# Altium PCB EVB-NORA-B20.PcbDoc (part 6 of 6)
Units mm, origin at the board's own origin, x right, y up, seen from the top; angles counter-clockwise.
Board outline 100 x 70 mm, 6 copper layers (L1, L2, L3, L4, L5, L6), stack 1.547 mm thick; 491 components, 294 nets, 1446 pads, 1246 vias.
Unrouted connection lines stored in the file: 3.
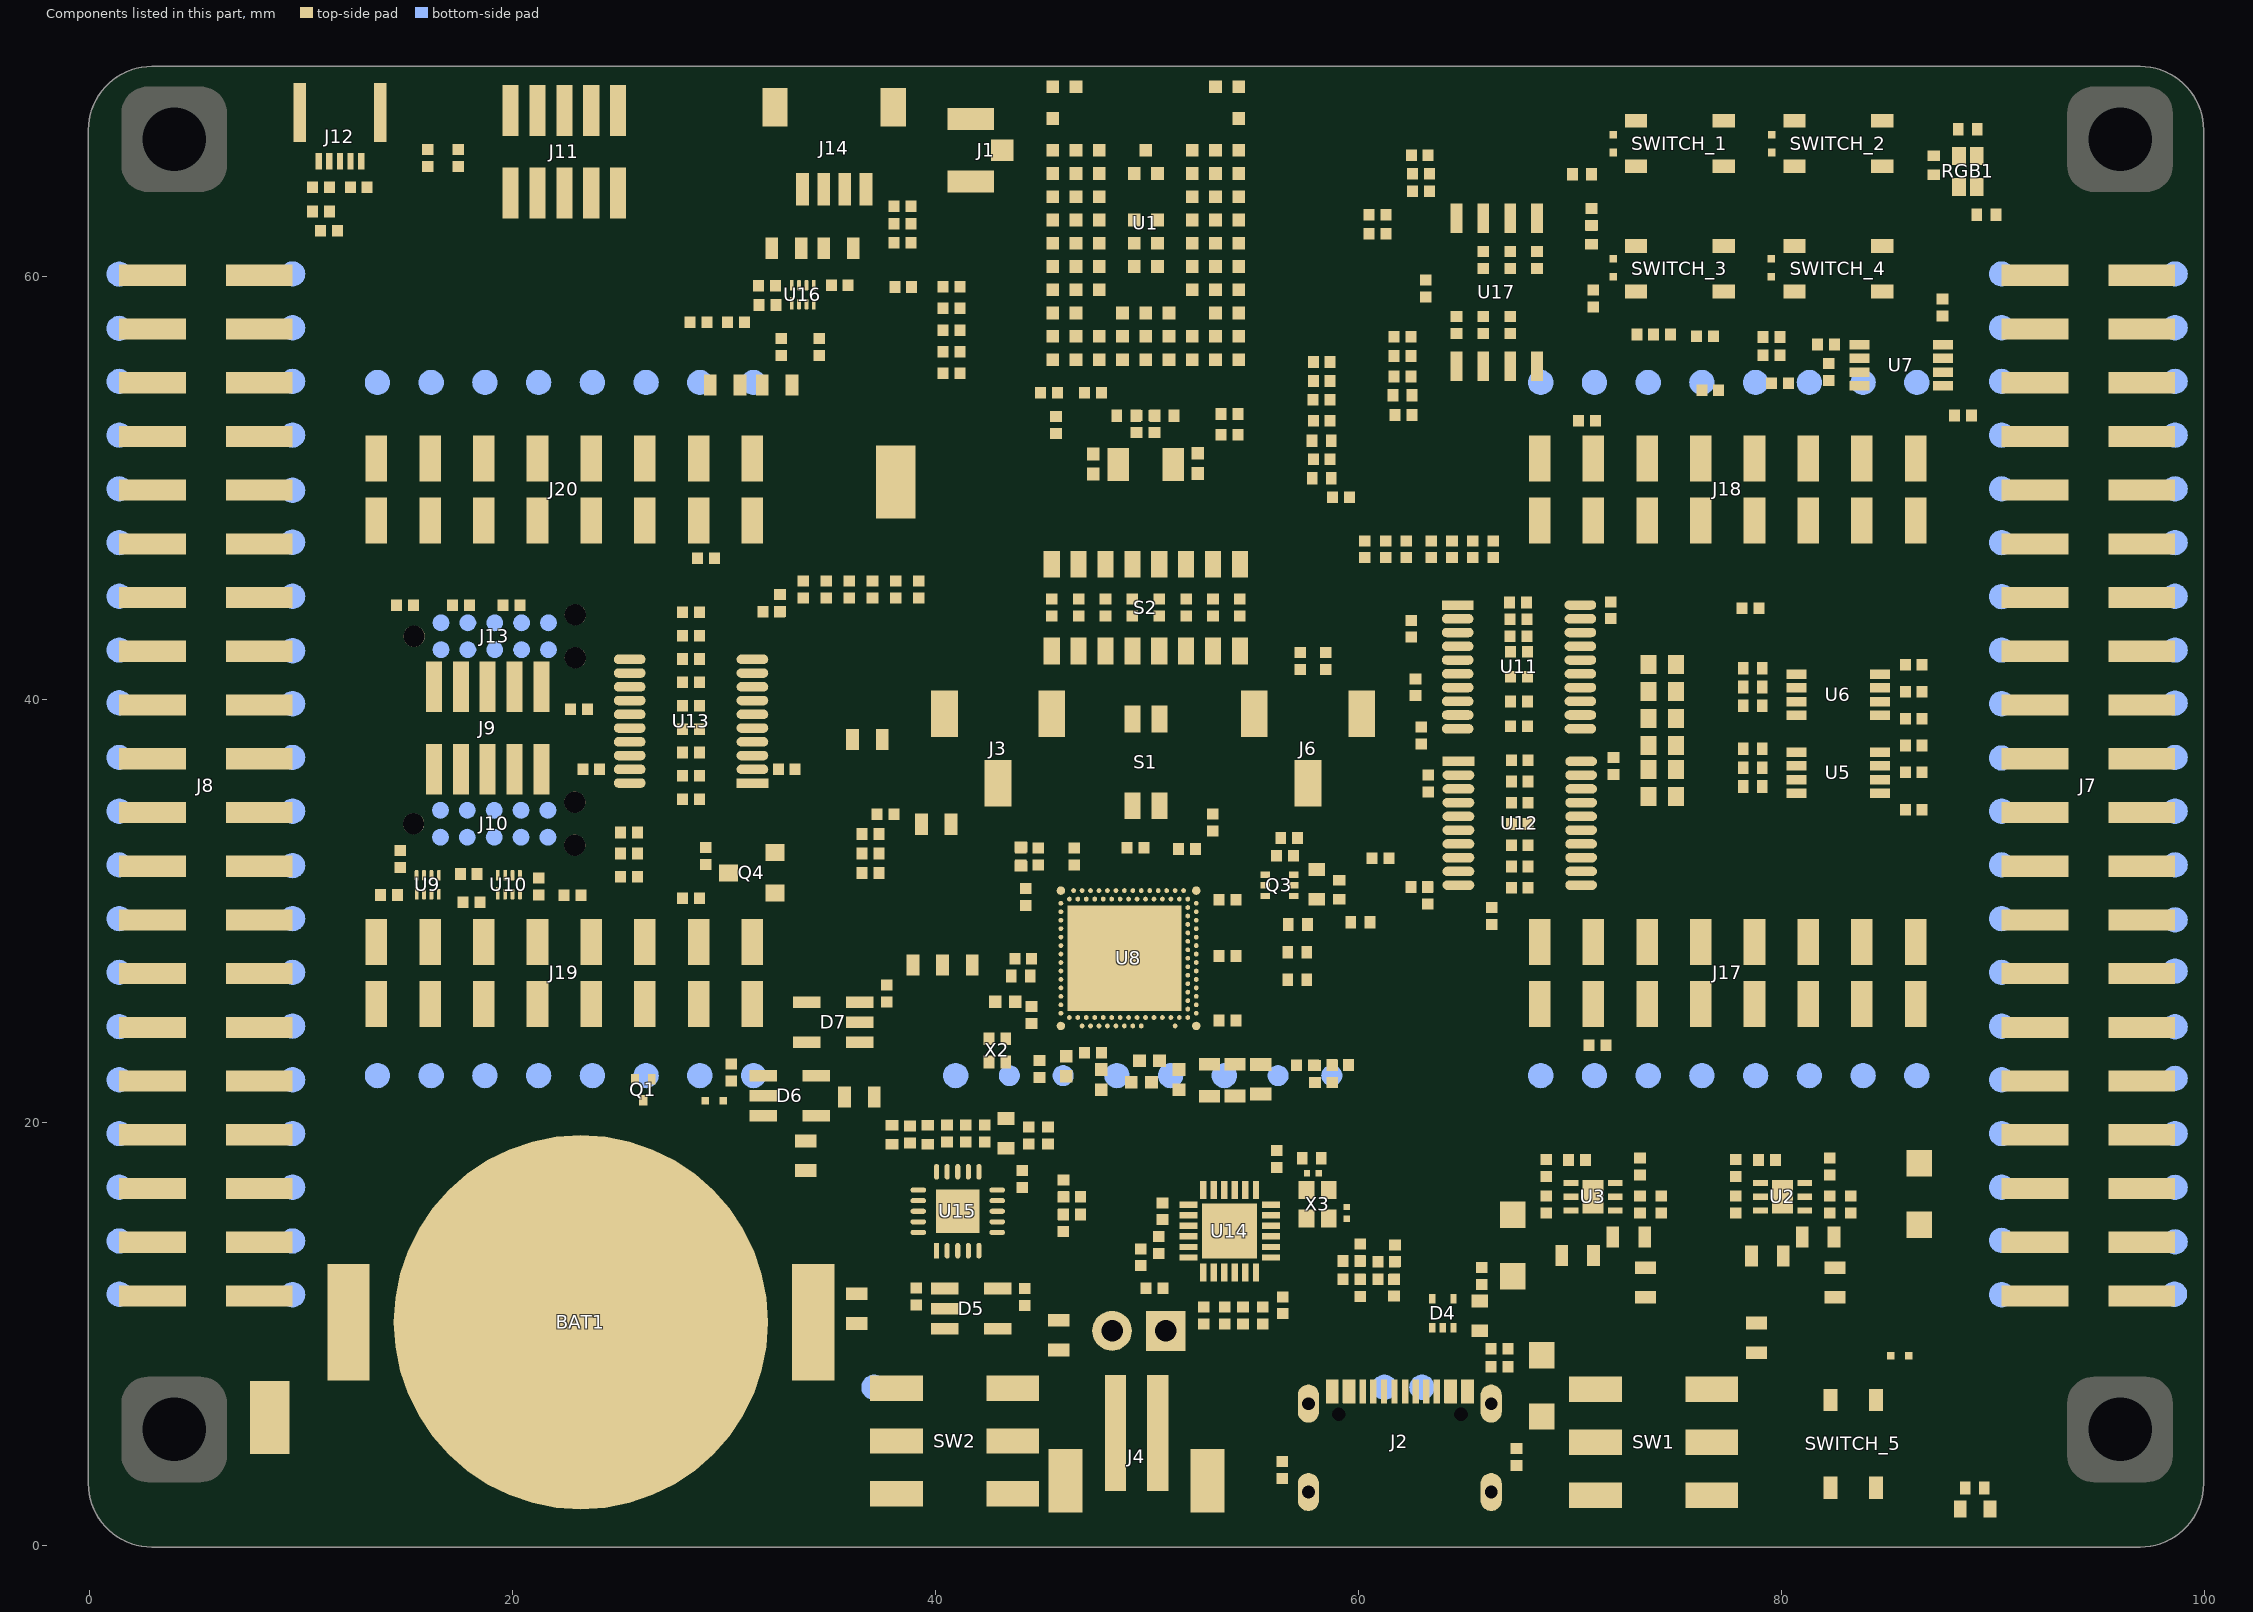
[diagram p10: the components of this part, seen from the top]

## Polygon pours and split planes (outlines as drawn)
NetC19_1 on L1 "NONET_L-01_P-001" (solid, pour order 207): 35.76,25.976 37.956,25.976 38.63,25.302 38.63,24.393 38.23,23.993 38.23,23.689 37.152,22.611 37.152,21.961 37.392,21.722 37.392,20.722 37.152,20.482 37.152,19.976 37.152,19.13 35.218,17.196 34.861,17.196 34.61,17.447 34.61,17.899 34.97,18.259 34.97,18.607 35.289,18.926 35.836,18.926 36.335,19.424 36.335,22.967 35.76,23.542 35.771,23.553 35.771,24.087 37.555,24.087 37.903,24.436 37.903,24.817 37.503,25.217 35.969,25.217 35.76,25.426 35.76,25.958
NetC9_1 on L1 "NONET_L-01_P-001" (solid, pour order 205): 68.046,6.731 69.268,6.731 70.489,5.51 72.45,5.51 72.45,4.325 71.805,3.68 69.611,3.68 68.046,5.245
NetD4_5 on L1 "NONET_L-01_P-001" (solid, pour order 142): 59.846,6.796 59.839,6.802 59.846,7.877 60.599,8.63 60.599,8.842 60.402,9.038 59.742,9.038 59.128,8.424 59.128,8.171 59.246,8.053 59.246,6.795
GND on L1 "        " (solid, remove dead copper, pour order 208): 2.721,69.543 97.208,69.543 cw(c97.208,67.181) 99.57,67.181 99.57,3.046 cw(c97.03,3.046) 97.03,0.506 3.304,0.506 cw(c3.304,3.316) 0.493,3.317 0.527,67.351 cw(c2.721,67.349)
NetD4_5 on L1 "NONET_L-01_P-001" (solid, pour order 143): 64.574,6.72 64.069,6.72 64.046,6.742 64.046,7.907 64.046,8.915 65.31,10.179 65.31,10.463 66.126,10.463 66.126,9.621 64.646,8.141 64.646,6.72
+5V on L1 "NONET_L-01_P-001" (solid, pour order 178): 75.446,7.994 77.946,7.994 78.131,8.156 78.131,8.646 78.317,8.832 78.313,9.43 78.914,9.43 79.324,9.43 79.324,7.604 78.514,6.794 75.446,6.794
+3V3 on L1 "NONET_L-01_P-001" (solid, pour order 132): 49.069,14.883 49.532,14.42 49.712,14.42 50.448,15.156 51.101,15.156 51.281,14.976 52.32,14.976 52.371,15.027 52.371,15.218 52.313,15.276 51.398,15.276 50.998,15.676 50.416,15.676 49.555,15.676 49.069,15.19
VBUS on L1 "NONET_L-01_P-001" (solid, pour order 127): 69.946,6.82 69.946,7.429 69.946,8.416 70.299,8.769 70.299,10.718 71.651,12.07 74.57,12.07 75.375,11.265 80.444,11.265 81.225,12.046 83.823,12.046 84.591,11.278 89.321,11.278 90.405,12.37 93.55,12.37 93.55,11.407 92.397,10.24 73.891,10.24 72.446,8.795 72.446,6.82
+3V3 on L1 "NONET_L-01_P-001" (solid, pour order 204): 69.913,14.105 69.915,15.105 70.386,15.577 70.386,16.001 68.59,16.001 68.333,15.744 68.333,12.7 68.485,12.548 69.248,12.548 69.913,13.213
NetC13_1 on L1 "NONET_L-01_P-001" (solid, pour order 203): 73.067,13.445 73.217,13.595 73.217,15.306 73.033,15.49 72.821,15.702 72.484,15.702 71.786,15.702 71.786,16.001 73.583,16.001 73.823,15.761 73.823,13.69 74.065,13.447 74.065,12.847 73.067,12.847
1V8 on L1 "NONET_L-01_P-001" (solid, pour order 202): 78.871,13.218 78.874,15.105 79.346,15.577 79.346,16.001 77.469,16.001 77.301,15.833 77.301,12.706 77.459,12.548 78.2,12.548
NetC6_1 on L1 "NONET_L-01_P-001" (solid, pour order 128): 82.022,13.439 82.172,13.589 82.172,15.3 81.988,15.484 81.776,15.696 81.439,15.696 80.741,15.696 80.741,15.995 82.538,15.995 82.778,15.755 82.778,15.116 82.944,14.95 83.001,14.947 83.521,14.95 83.521,14.4 83.001,14.4 82.778,14.176 82.778,13.684 83.02,13.441 83.02,12.841 82.022,12.841
V_Coin_Cell on L1 "NONET_L-01_P-001" (solid, pour order 201): 44.894,3.053 39.994,3.053 39.894,2.953 39.896,2.951 39.896,2.104 40.147,1.853 42.394,1.853 44.894,1.853
+3V3 on L1 "NONET_L-01_P-001" (solid, pour order 195): 36.771,11.612 36.771,13.396 37.163,13.788 37.163,14.86 36.733,14.86 36.547,14.66 36.547,14.447 35.878,13.205 35.763,12.993 35.763,11.612
NetC19_1 on L1 "NONET_L-01_P-001" (solid, pour order 197): 35.471,10.812 35.471,9.928 35.471,9.155 35.733,8.893 36.587,8.893 36.911,9.216 36.911,9.928 36.911,10.812
NetC19_1 on L1 "NONET_L-01_P-001" (solid, pour order 198): 44.955,9.893 45.432,10.37 46.322,10.37 46.322,10.957 44.792,10.957 44.464,10.629 43.921,10.629 43.663,10.37 43.663,9.889 43.899,9.652 44.867,9.652 44.955,9.74
NetC9_1 on L1 "NONET_L-01_P-001" (solid, pour order 194): 85.912,15.812 85.903,15.803 85.903,12.687 86.042,12.548 86.958,12.548 87.131,12.721 87.131,15.812
+Vin on L1 "NONET_L-01_P-001" (solid, pour order 192): 88.374,17.45 87.112,18.712 85.912,18.712 85.912,17.462 86.924,16.45 89.906,16.45 93.55,16.45 93.55,17.45 90.4,17.45
NetBAT1_1 on L1 "NETBAT1_1_L01_P191" (solid, pour order 191): 13.844,12.73 13.27,13.303 11.264,13.314 11.264,7.814 13.27,7.805 13.844,8.379
V_BAT on L1 "V_BAT_L01_P163" (solid, pour order 163): 41.087,12.446 37.229,12.446 37.221,12.454 37.221,11.546 38.414,11.546 38.815,11.921 39.365,11.921 39.786,11.887 41.087,11.887
V_BAT on L1 "NONET_L-01_P-001" (solid, pour order 187): 49.939,11.1 51.819,11.1 51.819,8.893 50.998,8.072 50.998,2.584 49.998,2.584 49.998,8.809 49.939,8.867
NetC9_1 on L1 "NETC9_1_L01_P169" (solid, pour order 169): 46.076,12.446 46.214,12.584 46.618,12.988 46.804,12.988 47.003,12.789 47.003,11.544 46.843,11.384 46.513,11.384 46.231,11.836 42.337,11.836 42.286,11.887 42.286,12.446
NetD2_C on L1 "NONET_L-01_P-001" (solid, pour order 186): 74.303,5.494 78.804,5.494 79.111,5.187 79.111,4.294 74.741,4.294 74.303,4.732
5V on L1 "NONET_L-01_P-001" (solid, pour order 144): 65.326,12.611 65.96,12.612 66.1,12.751 66.1,13.371 67.887,13.379 67.893,11.423 69.253,10.06 69.253,8.386 68.053,8.386 68.053,9.636 66.519,11.17 65.369,11.17 65.326,11.213
VDDIO_Periph on L1 "VDDIO_PERIPH_L01_P174" (solid, pour order 174): 32.195,59.067 33.279,59.067 33.279,58.462 33.206,58.388 32.195,58.388
+3V3 on L1 "+3V3_L01_P173" (solid, pour order 173): 32.169,59.847 33.267,59.847 33.267,59.359 33.205,59.297 32.169,59.297
+3V3 on L1 "NONET_L-01_P-001" (solid, pour order 131): 56.521,16.858 56.521,17.465 56.403,17.582 56.403,18.146 55.853,18.146 55.853,18.047 55.853,17.4 55.656,17.251 54.996,17.251 54.996,16.436 56.099,16.436
NetC53_1 on L1 "NONET_L-01_P-001" (solid, pour order 134): 41.429,17.433 41.425,17.437 41.425,18.508 41.094,18.839 40.263,18.839 40.263,19.359 42.672,19.359 42.932,19.099 43.965,19.099 44.124,19.257 44.674,19.257 44.674,18.737 44.435,18.499 43.726,18.499 43.329,18.102 43.329,17.518 43.647,17.2 44.369,17.2 44.369,16.699 42.686,16.699 42.663,16.722 42.663,17.194 42.424,17.433
+3V3 on L1 "NONET_L-01_P-001" (solid, pour order 136): 42.932,19.899 42.932,20.531 42.643,20.82 42.643,21.175 42.847,21.379 43.837,21.379 44.04,21.175 44.04,20.82 43.732,20.511 43.732,19.899
+3V3 on L1 "NONET_L-01_P-001" (solid, pour order 157): 54.986,13.342 55.29,13.342 55.797,12.835 56.553,12.835 56.607,12.78 56.676,12.711 56.676,12.726 56.676,12.052 56.676,11.531 56.656,11.511 56.135,11.511 56.135,11.804 55.448,12.492 54.986,12.492
VDDIO_Periph on L6 "NONET_L-01_P-001" (solid, pour order 182): 37.577,38.26 38.89,38.26 41.19,40.56 59.09,40.56 63.05,36.6 63.05,36.35 62.095,35.395 62.095,34.565 63.13,33.53 63.13,33.159 62.961,32.99 62.464,32.99 60.748,34.706 60.748,36.722 58.384,39.11 52.186,39.11 51.53,38.454 49.96,38.454 49.304,39.11 42.115,39.11 40.615,37.61 33.58,37.61 33.384,37.806 33.384,38.384 33.615,38.615 35.011,38.615 37.223,38.615
GND on L6 "GND_L6" (solid, remove dead copper, pour order 193): 2.664,69.486 97.151,69.486 cw(c97.151,67.124) 99.514,67.124 99.514,2.989 cw(c96.974,2.989) 96.974,0.449 3.247,0.449 cw(c3.247,3.259) 0.437,3.26 0.471,67.294 cw(c2.664,67.293)
VBUS on L6 "NONET_L-01_P-001" (solid, pour order 167): 71.77,8.22 74.342,10.792 74.317,14.726 70.4,18.644 60.569,18.644 60.449,18.523 60.449,17.271 60.71,17.01 69.239,17.01 72.521,13.727 72.521,11.571 70.602,9.652 70.602,9.152 71.526,8.22
+3V3 on L4 "NONET_L-01_P-001" (solid, pour order 160): 84.534,21.027 74.822,21.075 73.366,21.082 68.204,15.92 68.204,15.579 68.204,14.082 67.711,13.589 62.762,13.589 61.953,12.869 53.052,12.878 50.564,12.869 50.291,13.138 50.281,14.671 49.719,15.41 49.11,15.41 47.086,12.672 39.08,12.672 38.281,13.463 38.281,13.696 36.987,14.989 36.738,14.989 36.091,14.342 36.091,12.63 37.461,11.259 44.871,11.259 47.667,8.463 57.685,8.463 58.862,9.678 60.723,9.678 62.39,11.349 63.619,11.349 64.333,10.635 71.911,10.717 78.451,17.258 84,17.258 92.407,17.258 95.684,20.55 95.816,39.796 87.881,47.731 82.466,47.731 80.336,45.601 80.336,43.405 75.815,38.883 75.16,38.883 73.861,40.183 73.861,46.049 71.578,48.332 71.578,54.412 71.425,54.564 71.013,54.572 70.841,54.399 70.841,47.679 72.361,46.159 72.361,44.126 72.484,44 72.484,36.895 74.918,34.354 75.856,34.354 83.273,41.77 83.269,42.815 84.549,44.095 87.903,44.095 91.411,40.587 91.411,38.397 93.104,36.704 93.104,25.092 89.403,21.027
NetC19_1 on L4 "NONET_L-01_P-001" (solid, pour order 188): 34.71,16.73 35.624,17.644 35.624,18.644 35.454,18.814 35.144,18.814 34.158,17.828 34.158,10.707 35.924,8.941 44.715,8.941 45.36,9.586 45.36,10.296 44.988,10.668 36.816,10.668 34.71,12.774
GND on L4 "GND_L4" (solid, remove dead copper, pour order 200): 2.601,69.614 97.085,69.614 cw(c97.088,67.252) 99.45,67.252 99.45,3.117 cw(c96.911,3.117) 96.91,0.577 3.184,0.577 cw(c3.184,3.387) 0.373,3.389 0.407,67.424 cw(c2.601,67.421)
VDDIO_Periph on L3 "NONET_L-01_P-001" (solid, pour order 171): 37.558,19.145 37.712,18.99 41.917,18.99 45.177,15.73 53.422,15.73 54.827,17.135 55.991,17.135 59.596,13.53 65.242,13.53 66.527,14.815 66.527,15.537 68.3,17.309 68.3,21.061 69.82,22.581 84.816,22.581 87.431,22.581 87.894,23.044 87.894,29.7 81.07,36.524 81.07,38.187 81.8,38.917 81.8,39.37 81.59,39.58 80.9,39.58 80.06,38.74 80.06,35.427 86.194,29.271 86.194,26.194 85.533,25.533 79.357,25.533 76.85,28.04 65.402,28.04 64.38,29.062 64.38,32.554 64.247,32.64 64.146,32.706 63.455,32.706 63.289,32.872 63.289,34.032 63.585,34.328 63.585,39.302 62.41,40.477 62.41,43.54 62.98,44.11 62.98,44.417 62.7,44.697 61.801,44.697 60.371,43.266 60.371,28.8 63.585,25.586 63.585,17.135 63.11,16.66 59.983,16.66 57.914,18.729 57.07,19.573 54.356,19.573 53.704,18.729 47.694,18.729 46.624,19.799 38.814,19.799 38.358,20.256 38.355,23.044 38.943,23.631 38.943,24.012 38.769,24.185 38.249,24.185 37.558,23.495
VDDIO_Periph on L3 "NONET_L-01_P-001" (solid, pour order 183): 35.668,37.788 33.568,37.788 32.93,37.15 32.93,35.81 32.81,35.69 32.362,35.69 32.234,35.833 32.234,40.029 30.14,42.123 30.14,54.382 29.579,54.943 29.579,55.959 31.009,57.389 32.11,58.49 32.734,58.49 32.93,58.293 32.93,54 32.603,53.673 32.603,41.237 33.568,40.272 33.568,39.016 34.005,38.58 35.65,38.58 35.86,38.37 35.86,37.98
VDD_DBGR on L3 "VDD_DBGR_L03_P165" (solid, pour order 165): 46.076,32.94 46.172,32.844 46.556,32.46 49.864,32.46 51.244,33.84 51.863,33.84 52.089,33.649 52.089,33.328 53.605,31.812 53.605,31.299 54.348,30.556 54.348,27.019 54.003,26.674 54.003,25.423 52.778,24.198 52.778,22.25 52.354,21.825 51.99,21.825 51.695,22.12 51.695,25.853 51.695,30.073 51.125,30.556 47.961,30.556 47.555,30.151 47.555,28.727 47.555,28.535 45.934,26.914 45.934,24.915 46.209,24.64 47.782,23.068 47.782,22.124 47.365,21.707 46.143,21.707 45.934,22 44.039,22 42.754,23.287 42.095,23.287 39.98,25.402 39.98,26.651 40.243,26.914 40.477,26.914 41.89,25.502 41.89,24.997 42.247,24.64 43.54,24.64 43.82,24.92 43.82,27.205 45.109,28.494 45.109,30.241 44.877,30.556 43.601,30.556 43.239,30.917 43.239,31.779 44.4,32.94
NetD4_5 on L3 "NONET_L-01_P-001" (solid, pour order 150): 63.627,11.371 65.087,9.911 65.16,9.911 65.478,9.593 65.478,9.085 64.963,8.57 61.026,8.57 60.461,8.005 59.292,8.005 59.128,8.168 59.128,8.427 59.739,9.038 60.176,9.038 62.508,11.371
VBUS on L3 "NONET_L-01_P-001" (solid, pour order 176): 60.694,16.886 60.449,17.131 60.449,21.754 58.126,24.076 58.126,28.097 57.986,28.214 57.986,32.688 58.278,32.98 58.55,32.98 58.829,32.701 58.829,28.496 59.28,28.044 59.28,26.129 62.251,23.159 62.251,20.491 62.251,19.288 61.97,19.008 61.97,17.242 61.614,16.886
GND on L3 "GND_L3" (solid, remove dead copper, pour order 190): 2.458,69.622 96.945,69.622 cw(c96.945,67.259) 99.308,67.259 99.308,3.124 cw(c96.768,3.124) 96.768,0.584 3.041,0.584 cw(c3.041,3.395) 0.231,3.396 0.265,67.429 cw(c2.458,67.428)
1V8 on L3 "NONET_L-01_P-001" (solid, pour order 164): 75.67,9.63 75.149,10.152 66.202,10.152 64.328,8.238 40.704,8.238 40.281,7.814 40.281,7.095 40.846,6.529 54.459,6.529 55.829,5.16 56.913,4.075 57.516,4.075 57.976,3.615 66.425,3.615 68.86,6.05 72.45,6.05 75.67,9.27
GND on L5 "GND_L2" (solid, pour order 206): 2.648,69.463 97.136,69.463 cw(c97.136,67.101) 99.498,67.101 99.498,2.966 cw(c96.958,2.966) 96.958,0.426 3.231,0.426 cw(c3.231,3.236) 0.421,3.238 0.455,67.271 cw(c2.648,67.27)
1V8 on L5 "NONET_L-01_P-001" (solid, pour order 180): 78.257,15.122 77.642,15.737 77.205,15.737 76.926,15.458 76.926,12.283 73.152,8.509 73.152,8.001 73.66,7.493 74.168,7.493 78.257,11.582
NetD2_C on L5 "NONET_L-01_P-001" (solid, pour order 181): 78.804,5.494 79.111,5.187 79.111,4.294 74.741,4.294 74.595,4.44 72.9,4.44 66.091,11.249 66.091,16.88 66.319,17.108 67.05,17.108 67.31,16.848 67.31,11.944 73.76,5.494 74.303,5.494
NetC9_1 on L5 "NONET_L-01_P-001" (solid, pour order 159): 71.062,5.52 72.555,3.988 78.849,3.988 85.08,10.219 85.08,11.821 86.06,12.801 86.06,14.075 86.322,14.337 86.583,14.337 86.89,14.03 86.89,11.77 86.47,11.35 86.47,5.84 84.178,3.548 82.028,3.548 80.064,1.603 71.986,1.596 71.023,2.56 48.52,2.56 45.36,5.72 45.36,12.354 46.229,13.223 47.558,13.223 47.845,12.937 47.845,8.326 50.651,5.52
GND on L2 "GND_L2" (solid, pour order 161): 2.664,69.486 97.152,69.486 cw(c97.152,67.124) 99.514,67.124 99.514,2.989 cw(c96.974,2.989) 96.974,0.449 3.247,0.449 cw(c3.247,3.259) 0.437,3.261 0.471,67.294 cw(c2.664,67.293)

## Other copper
L1:
  pour cut-out: 15.344,42.552 cw(c15.344,43.002) 14.894,43.002 cw(c15.344,43.002) 15.344,43.452 cw(c15.344,43.002) 15.794,43.002 cw(c15.344,43.002)
  pour cut-out: 22.939,32.638 cw(c22.939,33.122) 22.455,33.122 cw(c22.939,33.122) 22.939,33.606 cw(c22.939,33.122) 23.423,33.122 cw(c22.939,33.122)
  pour cut-out: 22.939,32.638 cw(c22.939,33.122) 22.455,33.122 cw(c22.939,33.122) 22.939,33.606 cw(c22.939,33.122) 23.423,33.122 cw(c22.939,33.122)
  pour cut-out: 22.939,32.638 cw(c22.939,33.122) 22.455,33.122 cw(c22.939,33.122) 22.939,33.606 cw(c22.939,33.122) 23.423,33.122 cw(c22.939,33.122)
  pour cut-out: 84.947,22.195 85.963,22.195 85.963,22.543 84.947,22.543
  pour cut-out: 71.385,63.53 71.385,62.514 71.733,62.514 71.733,63.53
  pour cut-out: 94.494,52.218 93.479,52.218 93.479,51.87 94.494,51.87
  pour cut-out: 86.898,59.326 86.898,58.311 87.246,58.311 87.246,59.326
  pour cut-out: 32.915,43.034 32.915,44.778 33.512,44.778 33.512,43.034
  pour cut-out: 36.659,57.794 38.403,57.794 38.403,57.197 36.659,57.197
  pour cut-out: 39.803,56.223 41.546,56.223 41.546,55.626 39.803,55.626
  pour cut-out: 40.427,55.086 42.17,55.086 42.17,54.489 40.427,54.489
  pour cut-out: 46.289,35.095 45.318,35.095 45.318,35.745 46.289,35.745
  pour cut-out: 55.23,30.176 55.23,32.18 58.599,32.18 58.599,30.176
  pour cut-out: 44.883,15.069 45.654,15.069 45.654,15.417 44.883,15.417
  pour cut-out: 74.219,52.331 74.219,50.581 74.567,50.581 74.567,52.331
  pour cut-out: 72.675,52.221 72.675,51.206 73.023,51.206 73.023,52.221
  pour cut-out: 65.102,38.237 64.087,38.237 64.087,37.89 65.102,37.89
  pour cut-out: 67.76,38.302 66.745,38.302 66.745,37.954 67.76,37.954
  pour cut-out: 79.742,65.332 78.726,65.332 78.726,64.985 79.742,64.985
  pour cut-out: 84.698,64.839 83.682,64.839 83.682,64.492 84.698,64.492
  pour cut-out: 70.423,54.429 71.439,54.429 71.439,54.777 70.423,54.777
  pour cut-out: 70.284,55.515 71.3,55.515 71.3,56.265 70.284,56.265
  pour cut-out: 72.738,56.312 73.754,56.312 73.754,56.804 72.738,56.804
  pour cut-out: 66.728,54.924 66.728,55.94 66.381,55.94 66.381,54.924
  pour cut-out: 65.469,54.922 65.469,55.937 65.122,55.937 65.122,54.922
  pour cut-out: 67.588,63.618 67.588,62.602 67.936,62.602 67.936,63.618
  pour cut-out: 66.317,63.618 66.317,62.602 66.665,62.602 66.665,63.618
  pour cut-out: 45.927,57.659 47.359,57.659 47.359,57.311 45.927,57.311
  pour cut-out: 45.706,56.537 46.722,56.537 46.722,56.189 45.706,56.189
  pour cut-out: 53.266,63.682 54.282,63.682 54.282,63.334 53.266,63.334
  pour cut-out: 49.708,58.196 49.178,58.196 49.178,58.728 49.708,58.728
  pour cut-out: 54.422,57.321 53.893,57.321 53.893,57.853 54.422,57.853
  pour cut-out: 52.577,56.524 52.577,57.054 53.109,57.054 53.109,56.524
  pour cut-out: 46.336,66.431 44.149,66.431 43.649,66.931 40.402,66.931 40.402,65.031 43.675,65.031 44.175,65.531 46.336,65.531
  pour cut-out: 74.649,42.256 74.649,41.24 74.301,41.24 74.301,42.256
  pour cut-out: 20.475,29.769 20.475,28.647 20.127,28.647 20.127,29.769
  pour cut-out: 18.049,30.178 19.065,30.178 19.065,29.83 18.049,29.83
  pour cut-out: 42.965,58.828 42.965,59.799 43.615,59.799 43.615,58.828
  pour cut-out: 16.369,36.84 16.369,37.811 17.019,37.811 17.019,36.84
  pour cut-out: 18.734,36.84 18.734,37.811 18.084,37.811 18.084,36.84
  pour cut-out: 20.004,36.84 20.004,37.811 19.354,37.811 19.354,36.84
  pour cut-out: 20.351,35.359 20.351,37.81 21.001,37.81 21.001,35.359
  pour cut-out: 20.831,38.609 21.847,38.609 21.847,39.259 20.831,39.259
  pour cut-out: 73.691,44.823 73.691,45.839 74.341,45.839 74.341,44.823
  pour cut-out: 86.03,36.069 87.046,36.069 87.046,35.721 86.03,35.721
  pour cut-out: 35.054,60.81 35.054,61.826 35.704,61.826 35.704,60.81
  pour cut-out: 32.696,60.977 32.696,61.993 33.346,61.993 33.346,60.977
  pour cut-out: 37.715,61.265 39.459,61.265 39.459,60.668 37.715,60.668
  pour cut-out: 47.286,65.331 47.286,64.315 46.938,64.315 46.938,65.331
  pour cut-out: 46.334,65.331 46.334,64.315 46.038,64.315 46.038,65.331
  pour cut-out: 45.986,63.331 45.986,64.347 46.334,64.347 46.334,63.331
  pour cut-out: 46.186,63.131 46.186,62.115 45.838,62.115 45.838,63.131
  pour cut-out: 47.086,63.331 47.086,64.347 47.434,64.347 47.434,63.331
  pour cut-out: 47.286,60.931 47.286,59.915 46.938,59.915 46.938,60.931
  pour cut-out: 47.086,61.131 46.07,61.131 46.07,60.783 47.086,60.783
  pour cut-out: 47.086,62.231 46.07,62.231 46.07,61.883 47.086,61.883
  pour cut-out: 48.186,60.031 47.17,60.031 47.17,59.683 48.186,59.683
  pour cut-out: 46.336,59.681 46.336,60.697 45.988,60.697 45.988,59.681
  pour cut-out: 47.086,56.531 47.086,55.515 47.434,55.515 47.434,56.531
  pour cut-out: 48.961,57.831 47.945,57.831 47.945,57.483 48.961,57.483
  pour cut-out: 50.386,55.631 51.402,55.631 51.402,55.979 50.386,55.979
  pour cut-out: 53.686,55.631 52.67,55.631 52.67,55.283 53.686,55.283
  pour cut-out: 53.686,57.831 53.686,58.847 54.034,58.847 54.034,57.831
  pour cut-out: 52.786,59.831 52.786,58.815 52.438,58.815 52.438,59.831
  pour cut-out: 51.689,62.031 53.802,62.031 53.802,59.831 51.689,59.831
  pour cut-out: 53.886,62.031 53.886,61.015 53.538,61.015 53.538,62.031
  pour cut-out: 52.781,62.039 52.781,63.132 54.034,63.132 54.034,62.039
  pour cut-out: 52.786,64.431 53.802,64.431 53.802,64.083 52.786,64.083
  pour cut-out: 52.803,65.529 54.381,65.529 54.381,65.181 52.803,65.181
  text "1" at 5.502,8.9 h2.5
L3:
  text "3" at 5.5,8.923 h2.5
L4:
  text "4" at 5.5,8.9 h2.5
L2:
  text "2" at 5.502,8.9 h2.5
L5:
  text "5" at 5.502,8.923 h2.5
L6:
  pour cut-out: 65.268,53.072 66.284,53.072 66.284,53.42 65.268,53.42
  pour cut-out: 72.194,47.99 73.209,47.99 73.209,48.912 72.194,48.912
  pour cut-out: 55.662,47.536 56.677,47.536 56.677,47.884 55.662,47.884
  text "6" at 5.5,8.923 h2.5
Multi-Layer:
  circle w0.1 net GND: c41.633,62.126 r1.1
  circle w0.1 net GND: c58.233,62.126 r1.1
  pour cut-out: 23.513,33.121 23.513,33.119 cw(c22.936,33.119) 22.936,32.543 cw(c22.936,33.114) 22.365,33.114 22.365,33.126 cw(c22.94,33.126) 22.94,33.701 22.967,33.701 cw(c22.967,33.155) 23.514,33.155 23.514,33.121
  pour cut-out: 23.513,35.153 23.513,35.151 cw(c22.936,35.151) 22.936,34.575 cw(c22.936,35.146) 22.365,35.146 22.365,35.158 cw(c22.94,35.158) 22.94,35.733 22.967,35.733 cw(c22.967,35.187) 23.514,35.187 23.514,35.153
  pour cut-out: 15.893,34.137 15.893,34.135 cw(c15.316,34.135) 15.316,33.559 cw(c15.316,34.13) 14.745,34.13 14.745,34.142 cw(c15.32,34.142) 15.32,34.717 15.347,34.717 cw(c15.347,34.171) 15.894,34.171 15.894,34.137
  pour cut-out: 23.538,41.985 23.538,41.983 cw(c22.961,41.983) 22.961,41.407 cw(c22.961,41.978) 22.39,41.978 22.39,41.99 cw(c22.965,41.99) 22.965,42.565 22.992,42.565 cw(c22.992,42.019) 23.539,42.019 23.539,41.985
  pour cut-out: 23.538,44.017 23.538,44.015 cw(c22.961,44.015) 22.961,43.439 cw(c22.961,44.01) 22.39,44.01 22.39,44.022 cw(c22.965,44.022) 22.965,44.597 22.992,44.597 cw(c22.992,44.051) 23.539,44.051 23.539,44.017
  pour cut-out: 15.918,43.001 15.918,42.999 cw(c15.341,42.999) 15.341,42.423 cw(c15.341,42.994) 14.77,42.994 14.77,43.006 cw(c15.345,43.006) 15.345,43.581 15.372,43.581 cw(c15.372,43.035) 15.919,43.035 15.919,43.001
  pour cut-out: 64.248,6.221 ccw(c64.836,6.221) 64.836,5.633 ccw(c64.836,6.221) 65.424,6.221 ccw(c64.836,6.221) 64.836,6.809 ccw(c64.836,6.221)
  pour cut-out: 58.468,6.221 ccw(c59.056,6.221) 59.056,5.633 ccw(c59.056,6.221) 59.644,6.221 ccw(c59.056,6.221) 59.056,6.809 ccw(c59.056,6.221)
  pour cut-out: 22.885,32.538 cw(c22.885,33.063) 22.36,33.063 cw(c22.885,33.063) 22.885,33.587 cw(c22.885,33.063) 23.41,33.063 cw(c22.885,33.063)
  pour cut-out: 22.885,34.57 cw(c22.885,35.095) 22.36,35.095 cw(c22.885,35.095) 22.885,35.619 cw(c22.885,35.095) 23.41,35.095 cw(c22.885,35.095)
  pour cut-out: 15.265,33.554 cw(c15.265,34.079) 14.74,34.079 cw(c15.265,34.079) 15.265,34.603 cw(c15.265,34.079) 15.79,34.079 cw(c15.265,34.079)
  pour cut-out: 22.91,41.402 cw(c22.91,41.927) 22.386,41.927 cw(c22.91,41.927) 22.91,42.452 cw(c22.91,41.927) 23.435,41.927 cw(c22.91,41.927)
  pour cut-out: 5.309,10.393 6.68,10.393 6.68,8.758 5.309,8.758

## Silkscreen, mask and mechanical layers (free items; w line width, h text height)
Top Overlay:
  drawing of 259 lines, arcs and shapes, not listed
  text "BUTTON 0" at 71.2,67.564 h2
  text "BUTTON 1" at 80.677,67.564 h2
  text "NFC" at 9.246,64.043 h2 r90
  text "QSPI 2" at 63.757,63.855 h2
  text "DEBUG" at 26.8,63.584 h1.6 r90
  text "+" at 41.443,61.857 h1
  text "+" at 58.043,61.857 h1
  text "GND" at 0.305,61.508 h1.6
  text "BUTTON 2" at 71.2,61.483 h2
  text "BUTTON 3" at 80.677,61.483 h2
  text "PORT1." at 2.971,61.427 h2
  text "PORT2." at 91.335,61.407 h2
  text "RGB" at 91.37,61.226 h2 r90
  text "1" at 90.805,60.847 h1.6
  text "1" at 0.889,60.554 h1.6
  text "10" at 9.957,59.654 h1.6
  text "GND" at 87.198,59.641 h1.6
  text "01" at 97.815,58.153 h1.35
  text "00" at 0.521,58.11 h1.6
  text "00" at 88.823,57.164 h1.35
  text "11" at 9.957,57.087 h1.6
  text ".GlobalProjectLink" at 15.226,55.677 h1.91
  text "01" at 0.521,55.568 h1.6
  text "03" at 97.815,55.562 h1.35
  text "02" at 88.823,54.66 h1.35
  text "12" at 9.957,54.559 h1.6
  text "02" at 0.432,53.025 h1.6
  text "05" at 97.815,52.997 h1.35
  text "3V3" at 69.943,52.422 h1.6 r90
  text "04" at 88.823,52.108 h1.35
  text "13" at 9.957,52.059 h1.6
  text "PWM" at 15.186,51.758 h1.6 r90
  text "INT" at 17.726,51.758 h1.6 r90
  text "RX" at 20.266,51.758 h1.6 r90
  text "TX" at 22.806,51.757 h1.6 r90
  text "SCL" at 25.331,51.758 h1.6 r90
  text "SDA" at 27.871,51.758 h1.6 r90
  text "5V" at 30.411,51.757 h1.6 r90
  text "SCK" at 77.909,51.758 h1.6 r90
  text "CS" at 80.449,51.757 h1.6 r90
  text "RST" at 82.989,51.758 h1.6 r90
  text "AN" at 85.544,51.758 h1.6 r90
  text "MOSI" at 72.829,51.631 h1.6 r90
  text "MISO" at 75.369,51.631 h1.6 r90
  text "GND" at 32.954,51.486 h1.6 r90
  text "GND" at 67.498,51.46 h1.6 r90
  text "GND" at 9.951,51.315 h1.6 r270
  text "GND" at 97.18,50.558 h1.35
  text "03" at 0.483,50.51 h1.6
  text "06" at 88.823,49.583 h1.35
  text "GND" at 40.83,48.857 h1.6 r90
  text "08" at 0.305,47.97 h1.6
  text "07" at 97.815,47.942 h1.35
  text "TX" at 53.467,47.498 h1.5 r90
  text "RX" at 54.921,47.447 h1.5 r90
  text "TX" at 45.949,47.371 h1.5 r90
  text "RX" at 47.142,47.372 h1.5 r90
  text "RTS" at 48.424,47.372 h1.5 r90
  text "CTS" at 49.592,47.371 h1.5 r90
  text "P0.03" at 52.212,47.372 h1.1 r90
  text "P1.14" at 51.029,47.321 h1.1 r90
  text "08" at 88.823,47.032 h1.35
  text "NC" at 9.804,46.987 h1.6
  text "1" at 24.345,45.507 h2
  text "2" at 79.165,45.5 h2
  text "09" at 0.305,45.455 h1.6
  text "mikroBUS" at 16.434,45.466 h2
  text "mikroBUS" at 71.24,45.466 h2
  text "09" at 97.815,45.402 h1.35
  text "10" at 88.823,44.536 h1.35
  text "NC" at 9.802,44.407 h1.6
  text "UART" at 44.039,44.31 h2 r90
  text "OBD-U0" at 57.127,43.278 h2 r90
  text "NC" at 0.308,42.981 h1.6
  text "I" at 39.001,42.862 h2 r180
  text "NC" at 88.511,41.869 h1.6
  text "NC" at 9.803,41.859 h1.6
  text "RESET" at 60.535,41.174 h2 r90
  text "VDD" at 38.813,40.981 h2
  text "TX" at 76.048,40.894 h1
  text "P1.04" at 87.961,40.652 h1.35
  text "NC" at 0.306,40.4 h1.6
  text "RX" at 76.048,39.7 h1
  text "NC" at 9.803,39.319 h1.6
  text "NC" at 88.301,39.265 h1.6
  text "DEBUG -OUT" at 13.427,38.679 h1.6 r90
  text "RTS" at 76.073,38.456 h1
  text "P1.05" at 87.961,38.112 h1.35
  text "NC" at 0.306,37.853 h1.6
  text "GND" at 38.726,37.719 h1.5 r90
  text "CTS" at 76.048,37.16 h1
  text "RESETn" at 9.831,36.896 h1.6
  text "3V3" at 87.757,36.769 h1.6
  text "DTR" at 76.073,36.017 h1
  text "P1.06" at 87.961,35.572 h1.35
  text "GND" at 0.305,35.346 h1.6
  text "2" at 55.754,34.86 h2
  text "3" at 60.294,34.86 h2
  text "1" at 53.833,34.78 h2
  text "DSR" at 76.073,34.722 h1
  text "SWCLK" at 9.78,34.356 h1.6
  text "GND" at 87.743,34.337 h1.35
  text "UART" at 99.545,34.181 h1.35 r90
  text "A" at 45.223,34.003 h2
  text "P1.07" at 87.961,33.032 h1.35
  text "NC" at 0.308,32.821 h1.6
  text "UART" at 73.228,31.94 h2
  text "SWDIO" at 9.882,31.765 h1.6
  text "NC" at 88.466,31.689 h1.6
  text "P1.14" at 87.961,30.48 h1.35
  text "NC" at 0.306,30.233 h1.6
  text "OBD-U0-RTS" at 79.34,30.034 h1.6
  text "3V3" at 9.696,29.198 h1.6
  text "P0.03" at 87.961,27.952 h1.35
  text "GND" at 8.979,27.896 h1.6
  text "NC" at 0.308,27.741 h1.6
  text "BT3" at 87.843,26.685 h1.6
  text "GND" at 99.558,26.006 h1.35 r90
  text "NC" at 0.306,25.153 h1.6
  text "04" at 97.79,25.133 h1.35
  text "RX" at 9.721,24.042 h1.6
  text "BT2" at 87.843,24.01 h1.6
  text "CS" at 20.251,23.563 h1.6 r90
  text "5V" at 70.289,23.563 h1.6 r90
  text "RX" at 80.464,23.564 h1.6 r90
  text "AN" at 15.059,23.437 h1.6 r90
  text "TX" at 77.924,23.436 h1.6 r90
  text "3V3" at 30.414,23.114 h1.6 r90
  text "INT" at 83.004,23.056 h1.6 r90
  text "RST" at 17.584,22.802 h1.6 r90
  text "GND" at 67.295,22.809 h1.6 r90
  text "GND" at 33,22.763 h1.6 r90
  text "02" at 97.815,22.688 h1.35
  text "SCK" at 22.791,22.675 h1.6 r90
  text "SCL" at 75.242,22.675 h1.6 r90
  text "NC" at 0.306,22.646 h1.6
  text "SDA" at 72.959,22.303 h1.6 r90
  text "MISO" at 25.331,22.04 h1.6 r90
  text "PWM" at 85.544,22.04 h1.6 r90
  text "MOSI" at 27.849,22.023 h1.6 r90
  text "TX" at 9.72,21.564 h1.6
  text "OBD-U0-CTS" at 81.766,20.505 h1.6
  text "01" at 97.815,20.252 h1.35
  text "OBD-UART1" at 14.421,20.115 h1.6
  text "NC" at 0.306,20.081 h1.6
  text "+5V" at 87.661,19.025 h1.6
  text "CTS" at 9.72,18.994 h1.6
  text "00" at 97.815,17.744 h1.35
  text "+Vin" at 87.946,17.731 h1.6
  text "NC" at 0.308,17.581 h1.6
  text "RTS" at 9.721,16.583 h1.6
  text "NC" at 0.306,14.993 h1.6
  text "BT1" at 97.201,14.978 h1.6
  text "NC" at 9.878,13.935 h1.6
  text "VIO" at 87.663,13.905 h1.6
  text "NC" at 8.155,12.74 h1.6
  text "NC" at 0.306,12.486 h1.6
  text "BT0" at 97.175,12.486 h1.6
  text "GND" at 48.489,11.725 h1.6 r90
  text "VBUS" at 86.716,11.445 h1.6
  text "40" at 97.109,9.873 h1.6
  text "40" at 7.796,9.59 h1.6
  text "PORT0." at 91.335,8.373 h2
  text "+" at 52.398,8.152 h3
  text "USB" at 58.947,7.993 h2
  text "GND" at 10.03,7.414 h1.6 r270
  text "1.8V" at 34,5.9 h1.6
  text "VDD" at 34.265,4.553 h1
  text "3.3V" at 33.88,3.12 h1.6
  text "3.3V" at 87.721,2.47 h1.6
  text "Rev C" at 7.55,2.18 h2
  text "POWER" at 80.943,1.446 h2 r90
  text "RESET" at 80.202,0.828 h2
  text "CR2032" at 24.89,0.795 h1.6
  text "<OFF ON>" at 79.492,0.393 h2 r90
  text "Li-ION" at 56.015,0.315 h2 r90
  text ".Layer_Name" at 215.676,-11.225 h0.61
Bottom Overlay:
  drawing of 550 lines, arcs and shapes, not listed
  text "R" at 23.363,64.541 h1.35
  text "E" at 24.199,64.541 h1.35
  text "G" at 25.222,64.541 h1.35
  text "G" at 26.213,64.541 h1.35
  text "E" at 26.997,64.541 h1.35
  text "S" at 27.887,64.541 h1.35
  text "TM" at 28.1,63.104 h0.94
  text "Technology" at 26.817,62.682 h1.45
  text "J-Link" at 31.57,62.682 h1.45
  text "MOD PIN / nRF GPIO" at 99.488,61.691 h2
  text "MOD PIN / nRF GPIO" at 13.82,61.631 h1.6
  text "www.segger.com" at 31.488,61.531 h1.68
  text ".GlobalProjectLink" at 72.464,60.1 h1.91
  text "H9/P1.10" at 16.499,59.787 h1.6
  text "GND" at 5.08,59.732 h1.6
  text "NC" at 97.66,59.724 h1.6
  text "GND" at 89.306,59.705 h1.6
  text "F2/P2.00" at 89.352,57.483 h1.6
  text "A3/P1.11" at 16.499,57.297 h1.6
  text "F1/P2.01" at 97.62,57.228 h1.6
  text "B6/P1.00" at 8.199,57.145 h1.6
  text "NORA Evaluation Board" at 74.69,57.11 h2.4
  text "VDD" at 32.658,56.37 h1.6
  text "D2/P2.02" at 89.352,55.99 h1.6
  text "B4/P1.12" at 16.499,55.898 h1.6
  text "D1/P2.03" at 97.62,54.656 h1.6
  text "C6/P1.01" at 8.2,54.554 h1.6
  text "J8/P1.13" at 16.5,52.141 h1.6
  text "E2/P2.04" at 89.382,52.148 h1.6
  text "C5/P1.02" at 8.2,52.091 h1.6
  text "E1/P2.05" at 97.62,52.065 h1.6
  text "B1/P2.06" at 89.382,49.544 h1.6
  text "B5/P1.03" at 8.199,49.525 h1.6
  text "GND" at 97.485,49.443 h1.6
  text "GND" at 13.7,49.422 h1.6
  text "C2/P2.08" at 89.383,47.163 h1.6
  text "C4/P2.07" at 97.621,47.068 h1.6
  text "NC" at 12.743,47.009 h1.6
  text "E9/P1.08" at 8.199,46.985 h1.6
  text "MODULE-SWD" at 28.02,44.989 h1.6
  text "B3/P2.10" at 89.327,44.518 h1.6
  text "C1/P2.09" at 97.635,44.528 h1.6
  text "D8/P1.09" at 8.199,44.469 h1.6
  text "NC" at 12.743,44.436 h1.6
  text "G8/P1.04   UART_TX" at 82.3,42.92 h1.6
  text "NC" at 4.523,41.965 h1.6
  text "NC" at 12.734,41.854 h1.6
  text "NC" at 89.21,41.732 h1.6
  text "G9/P1.05  UART_RX" at 82.3,40.45 h1.6
  text "NC" at 12.743,39.376 h1.6
  text "NC" at 4.499,39.346 h1.6
  text "NC" at 89.21,39.167 h1.6
  text "F8/P1.06   UART_RTS" at 82.3,37.92 h1.6
  text "J3/RESETn" at 18.215,37.169 h1.6
  text "NC" at 89.21,36.804 h1.6
  text "NC" at 4.499,36.761 h1.6
  text "OBD-SWD" at 26.507,36.289 h1.6
  text "J2/SWCLK" at 18.215,35.637 h1.6
  text "F9/P1.07   UART_CTS" at 82.3,35.32 h1.6
  text "GND" at 5.45,34.248 h1.6
  text "GND" at 89.246,34.094 h1.6
  text "NC" at 4.514,31.835 h1.6
  text "NC" at 89.21,31.749 h1.6
  text "H2/SWDIO" at 18.215,31.696 h1.6
  text "E8/P1.14" at 97.621,31.54 h1.6
  text "NC" at 4.514,29.197 h1.6
  text "OBD-U0-RTS" at 89.37,29.115 h1.6
  text "3V3" at 13.183,29.104 h1.6
  text "J9/P0.03" at 97.55,28.83 h1.6
  text "NC" at 4.514,26.657 h1.6
  text "Button3" at 89.293,26.626 h1.6
  text "GND" at 97.485,26.626 h1.6
  text "GND" at 13.669,26.615 h1.6
  text "Button2" at 89.293,24.244 h1.6
  text "H8/P0.04" at 97.634,24.136 h1.6
  text "NC" at 4.514,24.106 h1.6
  text "RX" at 12.499,24.057 h1.6
  text "TP1" at 32.81,23.505 h1.6
  text "C8/P0.02" at 97.635,21.669 h1.6
  text "NC" at 4.514,21.577 h1.6
  text "TX" at 12.5,21.472 h1.6
  text "OBD-U0-CTS" at 87.36,20.155 h1.6
  text "+5V" at 88.759,19.135 h1.6
  text "A6/P0.01" at 97.634,19.062 h1.6
  text "NC" at 4.524,19.026 h1.6
  text "CTS" at 13.5,18.917 h1.6
  text "OBD-UART1" at 6.835,16.93 h1.6 r270
  text "A5/P0.00" at 97.634,16.589 h1.6
  text "NC" at 4.524,16.486 h1.6
  text "+Vin" at 88.845,16.451 h1.6
  text "RTS" at 13.499,16.434 h1.6
  text "V-Battery" at 43.139,14.168 h1.6 r270
  text "Button1" at 97.589,13.977 h1.6
  text "NC" at 4.524,13.946 h1.6
  text "VIO" at 88.846,13.926 h1.6
  text "NC" at 12.756,13.851 h1.6
  text "OBD-nRESET" at 40.738,12.806 h1.6 r270
  text "S" at 81.112,12.096 h6
  text "Button0" at 97.589,11.437 h1.6
  text "NC" at 4.524,11.406 h1.6
  text "VBUS" at 88.845,11.386 h1.6
  text "NC" at 12.756,11.269 h1.6
  text "SW2, Coin-cell" at 34.356,8.461 h1.6
  text "Coin-cell OFF" at 29.706,5.424 h1.6
  text "1.8V" at 35.948,5.141 h1.6
  text "VDD" at 36.055,3.581 h1.6
  text "Coin-cell ON" at 29.626,2.464 h1.6
  text "3.3V" at 35.768,2.261 h1.6
  text "RoHS" at 45.396,1.707 h2.5 r270
  text "UBXH60-0001194" at 91.748,1.249 h1.6
  text "Rev C" at 72.205,1.234 h1.6
  text ".Layer_Name" at 215.676,-32.231 h0.61
Top Paste:
  rectangle: 209.072,-8.913 213.898,-6.5
  lines w0.2: 209.072,-8.913 232.44,-8.913 232.44,-6.5 209.072,-6.5
  text ".Layer_Name" at 215.676,-8.228 h0.61
Bottom Paste:
  rectangle: 209.072,-35.914 213.898,-33.501
  lines w0.2: 232.44,-35.914 209.072,-35.914 209.072,-33.501 232.44,-33.501
  text ".Layer_Name" at 215.676,-35.228 h0.61
Top Solder:
  rectangle: 209.072,-14.908 213.898,-12.495
  lines w0.2: 209.072,-14.908 232.44,-14.908 232.44,-12.495 209.072,-12.495 209.072,-14.908
  text ".Layer_Name" at 215.676,-14.222 h0.61
Bottom Solder:
  rectangle: 209.072,-29.919 213.898,-27.506
  lines w0.2: 209.072,-29.919 209.072,-27.506 232.44,-27.506 232.44,-29.919 209.072,-29.919
  text ".Layer_Name" at 215.676,-29.233 h0.61
Route Tool Path:
  rectangle: 209.072,18.075 213.898,20.488
  lines w0.2: 209.072,18.075 232.44,18.075 232.44,20.488 209.072,20.488 209.072,18.075
  text ".Layer_Name" at 215.676,18.76 h0.61
Border & Title:
  drawing of 49 lines, arcs and shapes, not listed
  text "1" at -1.002,136.245 h0.61
  text "2" at 68.865,136.245 h0.61
  text "3" at 138.588,136.245 h0.61
  text "4" at 208.464,136.245 h0.61
  text "REVISION" at 189.47,130.343 h0.61
  text "REV" at 153.656,126.025 h0.61
  text "DESCRIPTION" at 164.578,126.025 h0.61
  text "DATE" at 214.362,126.025 h0.61
  text "BY" at 230.364,126.025 h0.61
  text "Rev1" at 153.656,122.215 h0.61
  text ".ReleaseDesc1" at 164.578,122.215 h0.61
  text ".ReleaseBy1" at 229.094,122.215 h0.61
  text ".ReleaseDate1" at 212.33,121.961 h0.61
  text ".ReleaseBy2" at 229.094,118.405 h0.61
  text ".ReleaseDate2" at 212.33,118.151 h0.61
  text ".ReleaseRev2" at 152.888,115.379 h0.61
  text ".ReleaseDesc2" at 163.81,115.379 h0.61
  text ".ReleaseDate3" at 212.33,114.595 h0.61
  text ".ReleaseBy3" at 229.094,114.595 h0.61
  text ".ReleaseRev3" at 152.888,111.569 h0.61
  text ".ReleaseDesc3" at 163.81,111.569 h0.61
  text "A" at -33.421,110.387 h0.61
  text "A" at 240.899,110.387 h0.61
  text "B" at 240.899,56.412 h0.61
  text "LAYER USAGE" at 210.342,21.897 h0.61
  text "C" at -33.421,2.437 h0.61
  text "C" at 240.899,2.437 h0.61
  text "D" at -33.421,-51.411 h0.61
  text "D" at 240.899,-51.411 h0.61
  text "PROJECT:" at 163.506,-54.662 h0.61
  text "ENGINEER:" at 124.999,-54.687 h0.61
  text ".ProjectEngineer" at 136.638,-56.347 h0.61
  text ".GlobalProjectName" at 174.484,-56.347 h0.61
  text "PCB NAME:" at 163.379,-60.097 h0.61
  text "DATE:" at 125.075,-60.199 h0.61
  text "REV:" at 216.693,-60.428 h0.61
  text ".GlobalProjectRevision" at 223.942,-62.322 h0.61
  text ".GlobalReleaseDate" at 132.32,-62.443 h0.61
  text ".PCBName" at 174.484,-62.443 h0.61
  text "DWG NO:" at 125.208,-66.507 h0.61
  text "FILE NAME:" at 163.308,-66.507 h0.61
  text "SCALE:" at 216.566,-66.701 h0.61
  text "CONFIDENTIAL" at 95.601,-68.634 h0.61
  text ".Pcb_File_Name_No_Path" at 165.594,-69.301 h0.61
  text "1:1" at 225.278,-69.419 h0.61
  text ".PCBDocNum" at 131.812,-69.555 h0.61
  text "1" at -1.002,-74.575 h0.61
  text "2" at 68.865,-74.575 h0.61
  text "3" at 138.588,-74.575 h0.61
  text "4" at 208.464,-74.575 h0.61
Fabrication Notes:
  rectangle: 209.072,15.191 213.898,17.604
  lines w0.2: 209.072,15.191 232.44,15.191 232.44,17.604 209.072,17.604 209.072,15.191
  text ".Layer_Name" at 215.676,15.877 h0.61
Rigid Outline:
  rectangle: 209.072,12.194 213.898,14.607
  lines w0.2: 209.072,12.194 209.072,14.607 232.44,14.607 232.44,12.194 209.072,12.194
  text ".Layer_Name" at 215.676,12.88 h0.61
Ref Des Top:
  rectangle: 209.072,9.197 213.898,11.61
  lines w0.2: 209.072,9.197 209.072,11.61 232.44,11.61 232.44,9.197 209.072,9.197
  text ".Layer_Name" at 215.676,9.883 h1
Ref Des Bottom:
  rectangle: 209.072,6.149 213.898,8.562
  lines w0.2: 209.072,6.149 209.072,8.562 232.44,8.562 232.44,6.149 209.072,6.149
  text ".Layer_Name" at 215.676,6.835 h0.61
Assembly Top:
  rectangle: 209.072,3.202 213.898,5.615
  lines w0.2: 209.072,3.202 232.44,3.202 232.44,5.615 209.072,5.615 209.072,3.202
  text ".Layer_Name" at 215.676,3.888 h0.61
Assembly Bottom:
  rectangle: 209.072,0.205 213.898,2.618
  lines w0.2: 209.072,0.205 232.44,0.205 232.44,2.618 209.072,2.618 209.072,0.205
  text ".Layer_Name" at 215.676,0.891 h0.61
Courtyard Top:
  rectangle: 209.072,-2.843 213.898,-0.43
  lines w0.2: 209.072,-2.843 232.44,-2.843 232.44,-0.43 209.072,-0.43 209.072,-2.843
  text ".Layer_Name" at 215.676,-2.157 h0.61
Coutryard Bottom:
  rectangle: 209.072,-5.891 213.898,-3.478
  lines w0.2: 209.072,-5.891 232.44,-5.891 232.44,-3.478 209.072,-3.478 209.072,-5.891
  text ".Layer_Name" at 215.676,-5.205 h0.61

## Text inside footprints (layer, text, board x,y; h text height)
U8: Top 3D Body "AG1" at 52.664,30.016 h0.08 r180; Top 3D Body "AJ1" at 52.664,30.416 h0.08 r180; Top 3D Body "AH2" at 52.331,30.216 h0.08 r180; Top 3D Body "AK4" at 51.631,30.815 h0.08 r180; Top 3D Body "AL5" at 51.438,31.215 h0.08 r180; Top 3D Body "AK2" at 52.031,30.789 h0.08 r180; Top 3D Body "AL3" at 51.838,31.215 h0.08 r180; Top 3D Body "V2" at 52.251,28.216 h0.08 r180; Top 3D Body "U1" at 52.592,28.016 h0.08 r180; Top 3D Body "Y2" at 52.251,28.616 h0.08 r180; Top 3D Body "AA1" at 52.657,28.816 h0.08 r180; Top 3D Body "W1" at 52.592,28.416 h0.08 r180; Top 3D Body "AD2" at 52.331,29.416 h0.08 r180; Top 3D Body "AC1" at 52.664,29.216 h0.08 r180; Top 3D Body "AE1" at 52.644,29.616 h0.08 r180; Top 3D Body "AB2" at 52.331,29.016 h0.08 r180; Top 3D Body "H2" at 52.251,26.216 h0.08 r180; Top 3D Body "J1" at 52.592,26.416 h0.08 r180; Top 3D Body "G1" at 52.592,26.016 h0.08 r180; Top 3D Body "M2" at 52.251,27.016 h0.08 r180; Top 3D Body "L1" at 52.612,26.816 h0.08 r180; Top 3D Body "P2" at 52.251,27.416 h0.08 r180; Top 3D Body "R1" at 52.579,27.616 h0.08 r180; Top 3D Body "N1" at 52.572,27.216 h0.08 r180; Top 3D Body "K2" at 52.251,26.616 h0.08 r180; Top 3D Body "D2" at 52.251,25.416 h0.08 r180; Top 3D Body "E1" at 52.572,25.616 h0.08 r180; Top 3D Body "C1" at 52.592,25.216 h0.08 r180; Top 3D Body "B4" at 51.592,24.815 h0.08 r180; Top 3D Body "A5" at 51.395,24.415 h0.08 r180; Top 3D Body "B2" at 51.976,24.829 h0.08 r180; Top 3D Body "AK14" at 49.661,30.815 h0.08 r180; Top 3D Body "AL13" at 49.867,31.215 h0.08 r180; Top 3D Body "AK10" at 50.461,30.816 h0.08 r180; Top 3D Body "AL11" at 50.267,31.215 h0.08 r180; Top 3D Body "AK12" at 50.061,30.815 h0.08 r180; Top 3D Body "AK8" at 50.831,30.815 h0.08 r180; Top 3D Body "AL7" at 51.038,31.215 h0.08 r180; Top 3D Body "AL9" at 50.667,31.215 h0.08 r180; Top 3D Body "AL15" at 49.467,31.215 h0.08 r180; Top 3D Body "B14" at 49.621,24.815 h0.08 r180; Top 3D Body "A13" at 49.825,24.416 h0.08 r180; Top 3D Body "B10" at 50.421,24.815 h0.08 r180; Top 3D Body "B12" at 50.021,24.815 h0.08 r180; Top 3D Body "B8" at 50.792,24.815 h0.08 r180; Top 3D Body "A15" at 49.425,24.415 h0.08 r180; Top 3D Body "AK24" at 47.661,30.815 h0.08 r180; Top 3D Body "AL23" at 47.867,31.215 h0.08 r180; Top 3D Body "AL25" at 47.467,31.215 h0.08 r180; Top 3D Body "AK20" at 48.461,30.816 h0.08 r180; Top 3D Body "AL21" at 48.267,31.215 h0.08 r180; Top 3D Body "AK18" at 48.861,30.815 h0.08 r180; Top 3D Body "AL17" at 49.067,31.215 h0.08 r180; Top 3D Body "AL19" at 48.667,31.215 h0.08 r180; Top 3D Body "AK22" at 48.061,30.815 h0.08 r180; Top 3D Body "B24" at 47.621,24.815 h0.08 r180; Top 3D Body "A23" at 47.825,24.416 h0.08 r180; Top 3D Body "A25" at 47.425,24.415 h0.08 r180; Top 3D Body "B20" at 48.421,24.815 h0.08 r180; Top 3D Body "A21" at 48.225,24.416 h0.08 r180; Top 3D Body "B18" at 48.821,24.815 h0.08 r180; Top 3D Body "A17" at 49.025,24.415 h0.08 r180; Top 3D Body "A19" at 48.625,24.415 h0.08 r180; Top 3D Body "B22" at 48.021,24.815 h0.08 r180; Top 3D Body "AL29" at 46.667,31.215 h0.08 r180; Top 3D Body "AL27" at 47.067,31.215 h0.08 r180; Top 3D Body "AK28" at 46.861,30.815 h0.08 r180; Top 3D Body "AG31" at 45.801,30.016 h0.08 r180; Top 3D Body "AJ31" at 45.801,30.416 h0.08 r180; Top 3D Body "AK30" at 46.461,30.815 h0.08 r180; Top 3D Body "U31" at 45.801,28.016 h0.08 r180; Top 3D Body "AA31" at 45.801,28.816 h0.08 r180; Top 3D Body "W31" at 45.801,28.416 h0.08 r180; Top 3D Body "AC31" at 45.801,29.216 h0.08 r180; Top 3D Body "AE31" at 45.801,29.616 h0.08 r180; Top 3D Body "J31" at 45.801,26.416 h0.08 r180; Top 3D Body "G31" at 45.801,26.016 h0.08 r180; Top 3D Body "L31" at 45.801,26.816 h0.08 r180; Top 3D Body "R31" at 45.801,27.616 h0.08 r180; Top 3D Body "N31" at 45.801,27.216 h0.08 r180; Top 3D Body "E31" at 45.801,25.616 h0.08 r180; Top 3D Body "C31" at 45.801,25.216 h0.08 r180; Top 3D Body "B30" at 46.421,24.815 h0.08 r180; Top 3D Body "A27" at 47.025,24.415 h0.08 r180; Top 3D Body "B28" at 46.821,24.815 h0.08 r180; Top 3D Body "AF2" at 52.331,29.816 h0.08 r180; Top 3D Body "F2" at 52.251,25.816 h0.08 r180; Top 3D Body "T2" at 52.251,27.816 h0.08 r180; Top 3D Body "AK6" at 51.231,30.815 h0.08 r180; Top 3D Body "B6" at 51.192,24.815 h0.08 r180; Top 3D Body "AK26" at 47.261,30.815 h0.08 r180; Top 3D Body "AK16" at 49.261,30.815 h0.08 r180; Top 3D Body "B26" at 47.221,24.815 h0.08 r180; Top 3D Body "B16" at 49.221,24.815 h0.08 r180